# Altium PCB RK_NVR_DEMO1_RK3588_LP4XD200P232SD8_V21_20211228_final_lint.PcbDoc (part 13 of 29) (continued)
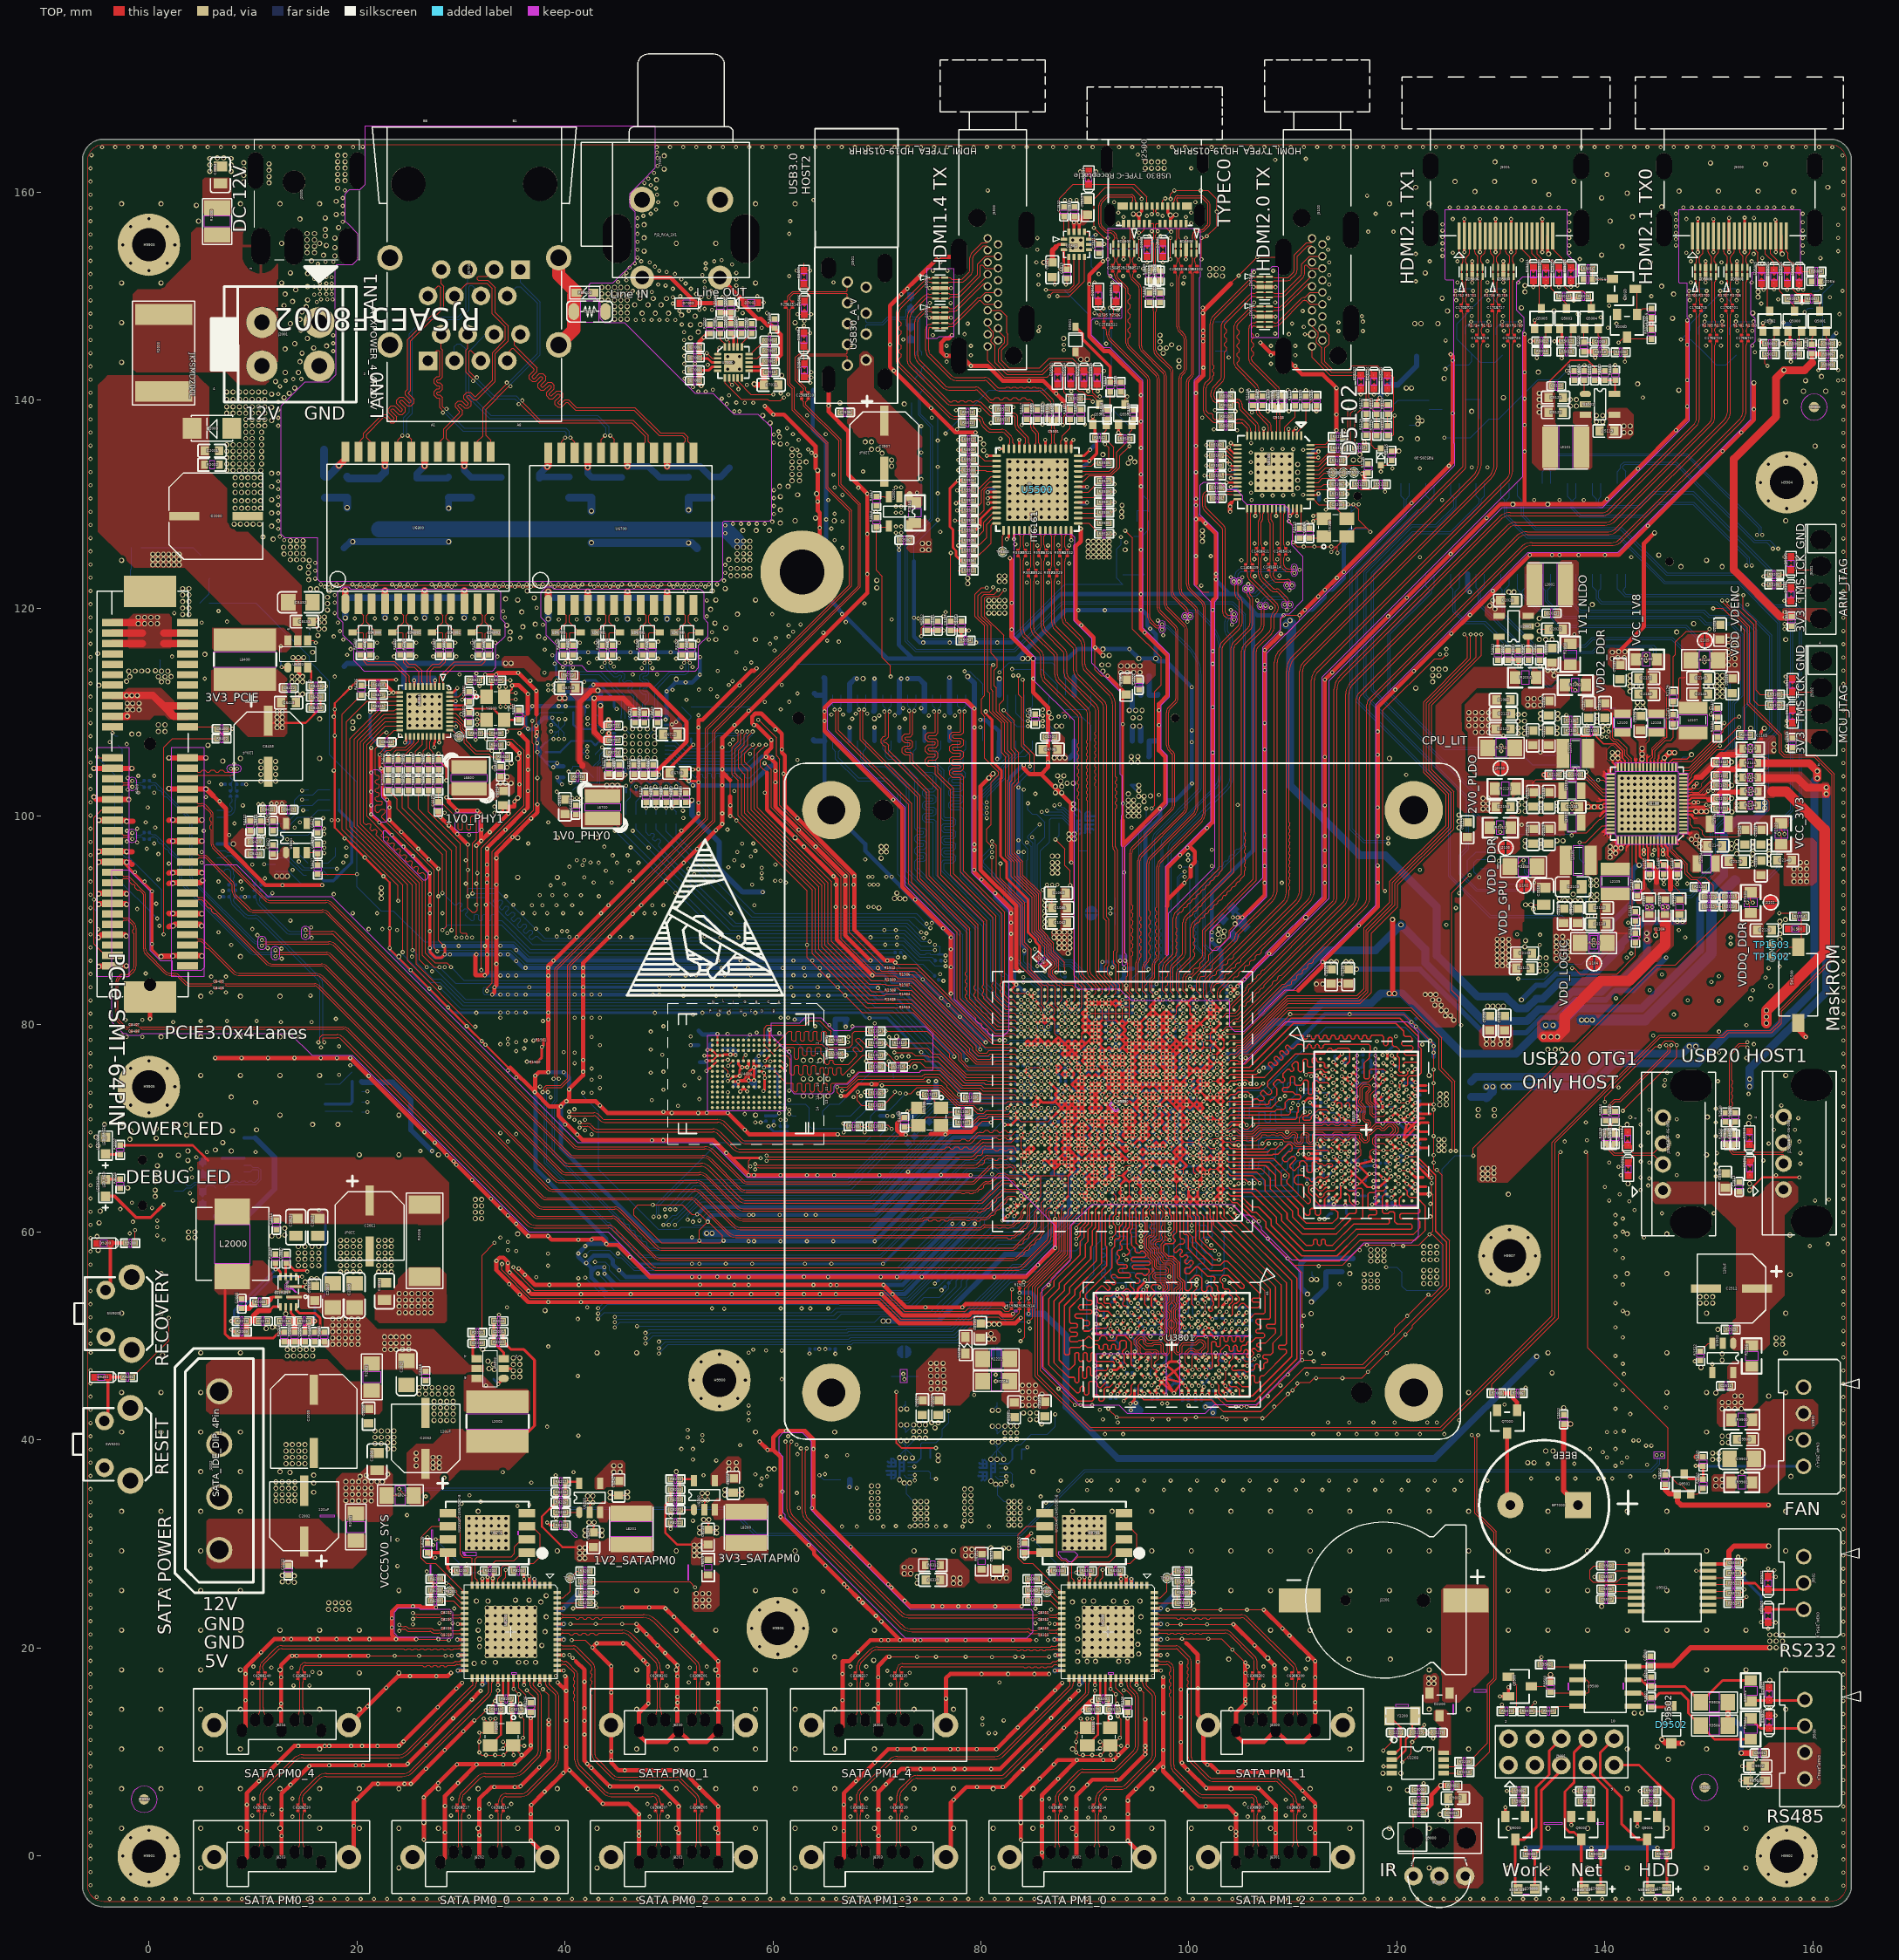
[diagram p0: TOP view]
## Nets (pads, with @x,y where several pads share a name; then routed paths per layer and width w, separated by ;. In a path a pad name is that pad's centre, name@x,y a point inside that pad or via, vN(x,y) a via of type N, cw(c..) or ccw(c..) an arc to the next point about the centre after c; other vN are vias at no path point) (continued)
  BOTTOM w0.127: v35(90.822,50.229) 90.187,50.864 90.187,55.309 90.822,55.944 90.822,58.484 91.457,59.119 91.457,61.322 v2(92.316,62.181) v11@92.316,62.831
  BOTTOM w0.152: U2201.C3@72.184,37.449 U2201.B3@72.584,37.449 ; U2200.C3@80.973,37.322 U2200.B3@81.373,37.322 ; 85.383,70.858 86.213,70.858 86.234,70.879
  BOTTOM w0.203: v1(37.329,107.023) 37.329,106.049 37.681,105.698 ; R6702.2@38.159,107.072 37.681,106.594 37.681,105.698 ; v1(38.803,109.462) 38.803,109.12 39.173,108.75 39.412,108.511 Y6700.4@39.551,108.372 ; v2(38.879,104.712) 38.625,104.712 38.117,105.22 ; v2(39.26,105.093) 39.26,105.118 39.158,105.22 38.117,105.22 ; v1(40.073,110.579) 40.139,110.513 41.888,110.513 41.929,110.554 v1(42.181,110.554) 41.929,110.302 R6721.2@41.929,109.961 ; R6724.2@45.88,102.312 v2(45.88,102.925) ; R6725.2@46.845,102.312 v2(46.845,102.841) ; R6726.2@47.811,102.312 v2(47.811,102.849) ; v2(48.683,102.845) 48.683,102.781 48.776,102.689 R6728.2@48.776,102.312 ; R6731.2@49.741,102.312 v2(49.741,102.841) ; R6722.2@50.706,102.312 v2(50.706,102.858) ; v9(72.178,36.183) 72.184,36.189 U2201.C1@72.184,36.649 U2201.C2@72.184,37.049 ; v9(72.178,38.316) 72.184,38.31 U2201.C4@72.184,37.849 ; v9(72.762,38.291) 72.584,38.113 U2201.B4@72.584,37.849 ; 75.881,86.698 76.501,86.698 v2(76.598,86.602) ; v5(80.967,36.056) 80.973,36.062 U2200.C1@80.973,36.522 U2200.C2@80.973,36.922 ; v5(80.967,38.152) 80.973,38.145 U2200.C4@80.973,37.722 ; v5(81.551,38.152) 81.385,37.986 81.373,37.986 U2200.B4@81.373,37.722 ; C1819.2@86.91,65.583 86.91,65.85 87.766,66.705 v2(87.766,66.731) ; v9(88.896,101.181) v9(88.896,100.678) 88.947,100.627 89.342,100.627 89.647,100.322 U2202.C1@89.647,99.978 U2202.C2@89.647,99.578 ; v9(88.975,98.284) 88.975,98.31 89.247,98.582 U2202.B4@89.247,98.778 ; 89.501,98.286 89.647,98.432 U2202.C4@89.647,98.778 ; v18(91.016,69.981) 91.016,69.872 91.557,69.331 v2(91.666,69.331) ; R9301.2@92.864,82.161 93.345,81.681 v2(93.616,81.681) ; 97.252,78.207 97.252,78.313 97.42,78.481 97.427,78.481 97.546,78.6 97.546,78.607 97.773,78.834 ; C1727.2@99.855,76.109 100.365,75.599 C1714.2@100.496,75.599 ; 100.445,75.574 100.496,75.574 ; 37.681,105.698 38.041,105.338 38.041,105.296 38.117,105.22 ; U2201.C2@72.184,37.049 U2201.B2@72.584,37.049 U2201.B3@72.584,37.449 U2201.B4@72.584,37.849 ; U2201.C2@72.184,37.049 U2201.C3@72.184,37.449 U2201.C4@72.184,37.849 ; U2201.C4@72.184,37.849 U2201.B4@72.584,37.849 ; U2200.C2@80.973,36.922 U2200.B2@81.373,36.922 U2200.B3@81.373,37.322 U2200.B4@81.373,37.722 ; U2200.C2@80.973,36.922 U2200.C3@80.973,37.322 U2200.C4@80.973,37.722 ; U2200.C4@80.973,37.722 U2200.B4@81.373,37.722 ; U2202.B4@89.247,98.778 U2202.C4@89.647,98.778 ; U2202.B4@89.247,98.778 U2202.B3@89.247,99.178 ; U2202.B3@89.247,99.178 U2202.C3@89.647,99.178 ; U2202.B3@89.247,99.178 U2202.B2@89.247,99.578 U2202.C2@89.647,99.578 ; U2202.C4@89.647,98.778 U2202.C3@89.647,99.178 ; U2202.C3@89.647,99.178 U2202.C2@89.647,99.578
  BOTTOM w0.254: v18(6.797,92.24) R8425.2@7.193,92.24 ; v18(6.943,103.061) R8407.2@7.339,103.061 ; R8426.2@8.836,92.24 v2(9.237,92.24) R8418.2@9.647,92.24 ; R8406.2@8.957,103.061 v18(9.353,103.061) ; R8419.2@11.291,92.24 11.523,92.24 v2(11.879,92.596) ; v2(23.156,87.313) 23.156,87.11 29.176,81.09 v2(31.473,81.09) v1(48.658,81.09) v2(53.23,81.09) v2(55.77,81.09) v2(58.31,81.09) 68.47,81.09 68.978,80.582 v2(69.283,80.582) 71.01,80.582 74.261,77.331 v2(74.261,77.305) 74.286,77.305 77.868,73.724 77.868,73.267 v2(77.893,73.241) ; v2(31.487,86.703) 31.398,86.614 31.398,85.1 31.804,84.694 v2(32.295,84.694) ; v2(33.215,83.551) v1(49.067,83.551) v1(54.147,83.551) v2(61.767,83.551) v2(64.307,83.551) 69.997,83.551 70.07,83.477 v2(70.095,83.477) 70.095,83.452 70.629,82.919 72.737,82.919 78.376,77.28 78.376,76.797 v2(78.63,76.543) ; v23(39.006,114.669) 39.006,114.542 39.133,114.415 39.133,113.602 39.819,112.916 v1(41.851,112.916) 42.003,113.068 42.919,113.068 44.746,111.241 44.746,110.528 v2(44.975,110.3) ; v1(46.245,57.595) 46.88,56.96 v1(52.214,56.96) v1(52.925,56.96) v1(55.465,56.96) v23(58.005,56.96) v1(63.085,56.96) v1(65.625,56.96) v2(70.576,56.96) 79.023,65.407 v2(79.023,65.481) ; v1(49.064,82.842) 49.14,82.766 v1(56.76,82.766) v2(64.38,82.766) v2(66.946,82.766) 69.664,82.766 70.07,82.36 72.025,82.36 76.214,78.171 76.878,77.507 77.43,76.955 v2(77.43,76.868) ; v2(69.556,84.694) 70.708,84.694 71.416,83.985 73.524,83.985 79.93,77.579 v2(79.93,77.559) ; v2(74.277,118.691) U5501.2@75.175,118.691 ; 77.106,83.249 77.08,83.223 77.08,82.512 81.141,78.451 v2(81.805,78.451) ; 82.618,67.196 82.884,66.929 C1801.2@83.1,66.929 ; C1808.2@84.192,67.708 84.192,67.703 v2(84.515,67.38) ; v2(85.816,66.73) 85.857,66.73 85.951,66.636 86.074,66.636 C1816.2@86.195,66.514 ; 86.234,70.879 86.234,71.047 v2(86.467,71.28) 86.751,71.564 C1110.2@86.759,71.564 ; v2(86.466,74.531) 86.466,74.524 C1901.2@86.809,74.18 ; C1819.2@86.91,65.583 87.477,65.583 C1813.2@87.667,65.393 ; C1602.2@87.512,75.14 87.651,75.002 C1506.2@87.651,74.511 ; C1300.2@87.674,72.071 87.674,72.489 v2(87.766,72.581) v2(88.415,72.581) 88.433,72.563 C1112.2@88.433,71.945 ; v2(87.766,62.831) 87.766,62.401 C1805.2@87.863,62.303 ; v2(87.766,66.731) 88.043,67.008 88.043,67.149 ; 88.041,70.631 88.041,70.862 88.416,71.236 v2(88.416,71.281) 88.955,71.821 C1031.2@89.732,71.821 89.716,71.805 v2(89.716,71.281) v2(90.366,70.631) ; C1804.2@88.169,64.455 88.144,64.455 88.042,64.557 87.989,64.557 v2(87.766,64.78) 87.667,64.879 C1813.2@87.667,65.393 ; v2(88.415,66.73) v2(88.416,66.081) 87.727,65.393 C1813.2@87.667,65.393 ; 88.783,69.126 88.783,69.048 v2(88.416,68.681) 88.416,68.282 C1803.2@88.142,68.009 88.043,67.91 88.043,67.149 ; C1069.2@88.832,76.899 88.832,77.546 v2(89.066,77.781) 89.313,77.534 C1072.2@89.454,77.534 ; v2(89.066,76.481) 89.283,76.264 C1073.2@89.454,76.264 89.454,76.218 v2(89.066,75.83) ; v2(89.07,72.585) 89.709,72.585 v2(89.714,72.581) ; 89.501,73.089 89.643,73.231 v2(89.716,73.231) ; v2(89.716,66.731) 89.505,66.731 89.342,66.568 89.342,66.648 88.891,67.099 88.697,67.099 v2(88.415,67.381) 88.275,67.381 88.043,67.149 ; v2(90.366,66.731) 90.451,66.816 C1030.2@90.451,67.373 ; v2(90.366,68.681) v2(91.016,68.031) 91.139,67.908 C1038.2@91.139,67.374 91.139,66.854 v2(91.016,66.731) ; v2(90.366,81.031) 90.366,80.459 C1064.2@89.888,79.98 90.615,79.98 v2(91.016,80.381) 91.217,80.582 C1503.2@91.588,80.582 ; v2(91.015,78.431) 91.236,78.651 C1606.2@91.422,78.651 ; v2(91.015,79.081) 91.221,79.286 C1608.2@91.422,79.286 ; v2(91.015,79.731) 91.206,79.921 C1610.2@91.422,79.921 ; v2(91.016,65.431) 90.775,65.672 C1814.2@90.618,65.672 90.618,65.683 v2(91.016,66.081) ; C1070.2@91.275,72.847 91.399,72.847 v2(91.666,72.581) ; C1054.2@91.275,73.469 91.427,73.469 v2(91.666,73.231) 92.194,73.759 C1106.2@92.194,73.926 92.316,74.048 v2(92.316,74.531) ; C1037.2@91.52,77.635 91.52,77.532 91.666,77.387 v2(91.666,77.131) ; C1607.2@91.588,85.281 91.588,85.843 91.685,85.941 v2(91.685,85.992) C1611.2@92.197,85.992 ; v2(91.666,76.481) v2(92.316,76.481) v2(92.316,75.831) ; v2(91.666,69.331) 91.942,69.054 91.942,68.904 92.093,68.904 v2(92.316,68.681) ; C1083.2@91.91,68.314 91.948,68.314 v2(92.316,68.681) ; v2(92.316,70.631) 92.484,70.631 C1010.2@92.713,70.402 92.713,70.234 v2(92.966,69.981) v2(92.966,69.331) v2(92.966,68.681) ; 92.688,71.031 92.565,71.031 v2(92.314,71.283) 92.961,71.931 v2(92.966,71.931) 93.613,72.578 v10@93.619,72.578 ; v2(92.966,73.231) v10@93.619,72.578 ; v2(92.966,77.781) v2(92.966,78.431) v2(92.966,79.081) ; R1405.2@93.366,78.778 R1401.2@93.366,79.413 ; C1015.2@93.528,68.559 93.405,68.681 v2(92.966,68.681) ; C1041.2@93.879,78.143 93.903,78.143 ; C1040.2@93.891,77.516 93.977,77.516 v2(94.254,77.793) 93.903,78.143 ; v2(94.266,68.681) 94.493,68.908 C1215.2@94.661,68.908 94.68,68.926 94.745,68.926 94.748,68.924 95.085,68.924 95.087,68.926 C1213.2@95.321,68.926 ; v2(94.265,74.531) v2(94.265,75.181) v10@94.265,75.83 ; v2(94.266,78.431) 93.978,78.143 93.903,78.143 ; C1016.2@94.806,72.704 94.136,72.704 94.009,72.83 93.875,72.83 v2(93.622,72.578) v10@93.619,72.578 ; v2(94.915,64.781) v2(95.565,64.781) v2(95.565,64.132) ; v2(94.915,64.781) v2(94.915,65.43) v2(95.565,65.43) 95.543,65.453 95.543,66.058 v2(96.215,66.731) 96.486,66.46 97.244,66.46 ; v2(94.916,67.381) 95.261,67.726 C1224.2@95.321,67.726 95.394,67.798 95.394,68.229 95.296,68.326 ; v35(95.038,51.55) 95.038,51.474 v28(95.788,50.723) 95.644,50.579 C3852.2@95.644,50.305 95.644,49.775 95.8,49.619 ; C1014.2@95.173,70.409 95.343,70.409 v2(95.565,70.631) 95.173,71.023 C1022.2@95.173,71.031 95.235,71.093 95.235,71.409 ; v9(95.191,102.451) 94.963,102.451 C4703.2@94.419,102.996 95.154,102.996 v9(95.191,102.959) ; C3853.2@95.267,54.754 95.314,54.754 v28(95.622,54.445) ; C1231.2@95.321,68.326 C1213.2@95.321,68.926 ; 95.797,71.014 96.18,70.631 v18(96.216,70.631) 95.953,70.368 95.953,70.215 95.799,70.215 v2(95.565,69.981) 95.941,69.605 ; 95.953,69.605 95.941,69.605 ; v2(96.215,62.831) v2(96.216,63.48) ; v2(96.215,78.431) v2(96.215,77.781) 96.473,78.038 C1002.2@96.664,78.038 96.664,78.229 v2(96.865,78.431) ; R1400.2@96.41,83.626 96.645,83.626 v2(96.872,83.852) ; C1223.2@96.642,71.539 96.642,71.706 v2(96.866,71.93) v2(97.516,71.93) 98.196,72.61 C1047.2@98.262,72.61 ; C1049.2@96.762,74.132 96.762,74.427 v2(96.865,74.531) ; v2(96.865,62.831) v2(97.515,62.831) v2(97.515,63.48) v2(97.515,64.131) ; C1219.2@97.121,65.846 97.146,65.846 97.281,65.846 v2(97.516,66.081) ; v2(97.172,50.762) 97.295,50.639 C3864.2@97.295,50.229 97.295,49.826 v2(97.299,49.822) 97.32,49.843 97.32,49.522 97.324,49.518 ; C1004.2@97.661,75.98 97.515,76.126 v2(97.515,76.481) v2(97.515,77.131) 97.802,77.418 97.802,77.559 ; C1227.2@97.706,68.678 98.163,68.678 v2(98.166,68.682) ; 97.799,80.723 98.292,81.217 98.442,81.217 98.499,81.274 C1421.2@98.628,81.274 ; v18(98.166,69.33) v2(98.166,68.682) ; v18(98.166,69.33) 98.166,69.378 97.816,69.727 97.816,70.031 97.524,70.324 C1220.2@97.524,70.452 97.986,70.452 v18(98.165,70.631) 98.276,70.742 C1229.2@98.276,71.033 ; C1206.2@98.594,68.234 98.594,68.253 v2(98.166,68.682) ; C3863.2@99.077,52.511 99.077,52.642 v28(99.606,53.172) ; C1226.2@99.178,72.746 99.286,72.746 v2(99.784,72.247) ; 99.205,65.827 99.205,65.691 v2(99.466,65.43) 99.807,65.772 C1211.2@99.807,65.834 ; C1209.2@99.205,65.852 99.045,65.852 v2(98.816,66.081) 98.489,66.408 98.489,66.46 98.461,66.488 97.882,66.488 97.854,66.46 ; C1208.2@99.707,70.382 99.707,70.29 99.237,69.82 C1216.2@99.237,69.721 99.237,69.56 v2(99.466,69.331) 100.207,68.589 ; C1210.2@99.707,70.984 99.763,70.984 v2(100.115,70.631) 99.866,70.382 99.732,70.382 99.732,70.315 ; C1727.2@99.855,76.109 99.855,76.221 v2(100.115,76.481) ; 100.068,77.632 100.068,77.178 v2(100.115,77.131) v2(100.115,76.481) ; v10@100.115,76.394 v2(100.115,76.481) ; C1207.2@100.222,68.589 100.207,68.589 ; 100.496,75.574 100.765,75.305 v2(100.765,75.181) ; 101.24,45.631 101.439,45.432 v2(101.439,45.123) ; C1730.2@101.295,78.033 101.295,78.31 v2(101.416,78.431) ; 101.303,50.55 101.337,50.55 101.591,50.804 v2(101.591,50.813) ; v18(101.744,55.207) 101.769,55.182 C3847.2@101.769,54.797 ; 101.998,80.912 102.066,80.98 v2(102.066,81.681) v2(102.066,82.331) ; v2(102.066,77.131) 102.331,76.865 102.331,76.689 ; v28(102.571,48.396) 102.75,48.218 103.014,48.218 ; v2(102.716,78.431) v2(103.366,79.08) ; 103.187,51.753 103.274,51.753 v28(103.546,51.481) ; v2(104.233,90.259) 104.245,90.272 C1000.2@104.245,91.11 105.096,90.259 v2(105.147,90.259) ; v2(110.761,73.724) 111.248,73.724 ; v2(112.356,68.491) 112.479,68.368 C3814.2@112.479,68.072 ; 112.899,65.469 112.899,65.864 v2(112.965,65.931) ; C3822.2@113.043,70.701 113.043,71.059 v28(113.116,71.131) ; v2(113.047,61.252) 113.58,61.786 C3810.2@113.744,61.786 ; C3837.2@113.428,62.806 113.805,62.806 v28(113.922,62.688) ; C3817.2@114.44,70.701 114.44,70.881 v28(114.69,71.131) ; C3828.2@114.549,64.025 114.549,64.439 114.69,64.581 v28(114.69,64.606) ; v2(116.242,66.505) 116.268,66.531 116.268,66.917 ; C3826.2@116.984,64.899 116.984,65.215 v2(117.365,65.596) ; v2(117.619,62.675) 117.823,62.879 118.402,62.879 ; v2(117.746,64.326) 117.822,64.402 118.257,64.402 ; v2(118.69,65.186) 118.889,64.987 118.889,64.525 ; 119.545,62.802 119.545,62.717 v2(119.841,62.421) ; v2(120.128,67.194) 120.304,67.37 C3834.2@120.517,67.37 ; v28(121.781,68.546) 121.789,68.538 122.191,68.538 ; C3815.2@122.191,72.077 122.061,72.077 v28(121.766,71.781) 122.088,71.459 122.191,71.459 C3818.2@122.216,71.434 ; v2(92.316,68.681) 92.687,68.31 C1039.2@92.727,68.31 92.966,68.549 v2(92.966,68.681) ; C1213.2@95.321,68.926 95.321,69.087 v18(95.565,69.331) 95.84,69.605 95.941,69.605 ; 97.244,66.46 97.854,66.46 ; 97.244,66.46 97.244,66.352 v2(97.516,66.081) ; v2(97.516,66.081) 97.854,66.419 97.854,66.46 ; C1205.2@99.707,67.649 99.694,67.637 C1212.2@99.694,67.047 99.782,67.047 v2(100.115,67.381) 99.847,67.649 C1205.2@99.707,67.649 ; C1205.2@99.707,67.649 99.707,68.258 100.038,68.589 100.207,68.589
  BOTTOM w0.305: v2(117.822,74.13) 118.122,74.13 118.228,74.024
  BOTTOM w0.406: v2(32.295,84.694) v1(50.075,84.694) v1(52.615,84.694) v1(55.363,84.694) v1(57.903,84.694) v2(61.967,84.694) v2(64.486,84.694) v2(69.556,84.694) ; v2(33.011,82.842) v2(33.792,82.842) v2(34.511,82.842) v2(35.323,82.842) v2(36.212,82.842) v2(38.396,82.842) v2(40.936,82.842) v2(41.749,82.842) v2(42.562,82.842) v2(43.375,82.842) v1(48.454,82.842) v1(49.064,82.842) ; v1(37.253,107.684) 37.355,107.582 v1(37.355,106.16) ; v1(37.329,107.023) v1(37.329,108.078) ; v1(38.803,109.462) 38.015,109.462 v1(37.253,108.7) 36.892,108.338 36.497,108.338 v1(36.44,108.395) 36.161,108.674 36.161,109.868 v1(36.872,110.579) v1(39.412,110.579) v1(40.073,110.579) ; v2(38.879,104.712) 38.955,104.788 39.859,104.788 R6715.2@39.867,104.797 ; v23(39.006,114.669) 39.133,114.669 39.133,115.38 39.514,115.761 v23(42.232,115.761) v23(46.296,115.761) v23(50.156,115.761) 52.468,115.761 52.976,115.253 v2(52.976,113.602) 52.214,112.84 v6@51.63,112.84 ; v2(39.717,103.061) 39.361,103.416 39.361,103.618 v2(39.26,103.719) R6718.2@39.867,103.719 ; v2(41.241,104.267) 41.789,103.719 C6706.2@41.85,103.719 ; v1(46.245,57.595) 44.975,58.865 v1(43.984,58.865) ; v2(49.674,109.284) 49.775,109.385 v2(49.775,112.002) 50.614,112.84 v6@51.63,112.84 ; v2(51.604,112.865) v6@51.63,112.84 ; v2(51.909,103.366) 51.909,103.363 v2(52.315,102.957) 57.825,102.957 59.661,104.793 59.838,104.793 60.037,104.991 60.037,105.525 v2(59.927,105.634) 59.859,105.702 v2(59.326,105.702) 58.919,105.702 57.726,104.509 v2(55.135,104.509) v2(52.823,104.509) ; v1(52.722,61.71) 53.433,62.421 69.613,62.421 v2(72.993,65.801) v18(76.585,69.393) 77.131,69.939 79.163,69.939 79.595,70.371 80.738,70.371 80.916,70.549 v2(80.967,70.549) ; C4004.2@52.849,79.377 53.226,79 C4000.2@53.992,79 54.05,79.058 v2(54.668,79.058) ; v1(53.738,60.998) 53.738,61.252 54.144,61.659 v1(57.7,61.659) v23(58.107,61.659) v1(60.647,61.659) v1(63.187,61.659) v1(64.101,61.659) 69.867,61.659 77.334,69.126 81.271,69.126 ; 63.829,140.992 63.829,137.165 65.117,135.878 v2(65.117,128.525) 65.117,125.792 SMTSO9900.1@62.803,123.477 66.336,119.944 66.336,119.825 71.01,115.151 73.448,115.151 ; v2(64.97,109.157) U4700.2@64.97,107.236 64.97,101.227 J9901.1@65.616,100.581 68.876,97.32 68.876,96.66 75.545,89.991 75.582,89.991 v2(76.362,89.211) 77.106,88.467 v2(77.106,87.207) 77.106,83.249 ; U4700.8@67.369,107.236 v2(67.369,108.522) ; U4700.14@69.769,107.236 v2(69.769,108.522) ; R1110.2@70.317,71.184 v23(71.01,71.184) ; v2(71.772,85.916) 71.572,86.116 v2(71.01,86.116) v2(69.384,86.116) v2(63.796,86.116) v2(61.967,86.116) v1(56.887,86.116) v1(54.754,86.116) 36.394,86.116 34.994,87.516 v2(32.314,87.516) v2(29.774,87.516) v2(28.338,87.516) 27.322,87.516 27.119,87.313 v2(27.017,87.313) 27.017,86.906 27.525,86.398 28.135,86.398 v2(28.439,86.703) v2(28.947,86.703) v2(31.487,86.703) v2(32.516,86.703) v2(33.792,86.703) v2(34.511,86.703) 34.689,86.703 35.987,85.405 v1(53.767,85.405) v1(55.059,85.405) v1(57.599,85.405) v2(60.951,85.405) v2(62.983,85.405) v2(64.507,85.405) v2(70.095,85.405) 71.14,85.405 71.899,84.646 74.048,84.646 v2(74.396,84.298) v2(76.192,82.502) v2(76.866,81.828) v2(77.988,80.706) v2(80.459,78.236) ; v2(72.111,125.997) 72.111,116.489 73.448,115.151 ; U4700.20@72.17,107.236 v2(72.17,108.522) ; 73.566,124.515 v2(73.566,119.071) 73.566,117.268 74.143,116.692 v2(74.454,116.692) v2(76.994,116.692) v2(79.534,116.692) v2(81.576,116.692) 82.959,116.692 87.617,121.349 v2(95.394,121.349) 103.928,121.349 ; U4700.26@74.57,107.236 v2(74.57,108.522) ; U4700.32@76.97,107.236 v2(76.97,108.522) ; v2(77.258,60.795) 72.153,55.69 v2(71.924,55.69) v2(70.375,55.69) v1(65.295,55.69) v1(57.675,55.69) v1(55.77,55.69) v1(52.925,55.69) v1(52.214,55.69) 45.838,55.69 v1(45.203,56.325) 44.594,56.934 44.594,57.341 44.187,57.747 42.765,57.747 v1(42.054,57.036) ; 77.741,67.069 v2(76.166,65.494) v1(69.791,59.119) v1(65.803,59.119) v1(63.263,59.119) v1(60.723,59.119) v23(58.183,59.119) v1(57.675,59.119) 57.624,59.119 57.573,59.17 v1(55.254,59.17) v1(52.925,59.17) 48.556,59.17 39.615,68.11 v1(39.615,72.073) 40.403,72.86 v1(40.403,73.724) 40.403,74.867 v1(39.895,75.375) v1(38.396,75.375) 37.482,75.375 v2(37.142,75.035) 37.142,73.511 v2(37.101,73.47) 37.177,73.394 37.177,66.155 38.345,64.986 38.371,64.986 38.371,64.961 v2(38.392,64.939) 43.984,59.347 v1(43.984,58.865) ; v2(78.325,60.795) 78.325,60.77 72.483,54.928 v2(70.626,54.928) v1(65.546,54.928) v1(63.898,54.928) v1(57.675,54.928) v1(56.278,54.928) 44.873,54.928 v1(43.811,55.99) 43.781,56.02 v1(43.781,56.63) 42.968,56.63 42.562,56.223 ; v2(79.37,108.522) U4700.38@79.37,107.236 v2(79.37,101.816) v2(79.37,97.279) v2(79.37,96.736) 79.37,94.599 v2(80.052,93.917) ; v2(79.417,60.795) v2(74.312,55.69) 72.661,54.039 v2(70.437,54.039) v1(66.057,54.039) v1(64.507,54.039) v1(62.983,54.039) v23(60.443,54.039) v23(57.903,54.039) v1(56.024,54.039) v1(53.941,54.039) v1(52.722,54.039) v1(46.321,54.039) 44.137,54.039 42.562,55.614 42.562,56.223 ; v2(79.951,109.258) 80.459,109.258 81.17,108.547 81.363,108.547 81.769,108.141 U4700.44@81.769,107.236 ; v2(81.373,92.596) 81.373,92.193 v2(82.897,90.669) 82.897,85.281 83.205,84.973 83.205,84.008 v2(83.399,83.814) 83.964,83.249 84.247,83.249 v2(84.516,82.981) ; 83.608,103.162 v2(83.608,102.756) v2(83.608,97.676) v2(83.608,96.558) 83.608,92.596 84.319,91.885 ; v2(84.116,104.89) 84.015,104.89 82.795,103.67 82.795,92.342 83.913,91.224 83.913,87.643 84.167,87.389 v2(84.167,87.059) 84.167,86.797 ; v2(96.118,85.268) 95.8,85.586 95.8,98.387 97.223,99.81 v2(97.223,100.724) 98.01,101.511 98.67,101.511 v2(100.296,103.137) 100.271,103.162 v2(100.271,107.125) v2(100.271,108.242) v2(100.271,112.408) 97.781,114.898 97.173,114.898 ; v18(100.677,129.883) 100.677,129.07 v18(101.593,128.155) 102.607,127.14 v18(102.607,123.286) v18(102.607,122.771) 102.607,122.67 103.928,121.349 ; v2(104.016,83.631) 103.522,83.631 103.115,84.037 103.115,87.008 102.201,87.922 v2(102.201,88.137) v2(102.201,88.837) 102.201,92.698 106.163,96.66 106.163,119.723 ; v2(104.666,83.631) v2(105.357,84.322) ; v2(107.179,75.807) 107.924,75.807 113.081,80.964 v2(115.46,80.964) 120.64,80.964 v2(121.403,80.201) v2(121.828,79.777) 123.533,78.071 v2(123.533,77.895) v2(123.533,77.254) 123.533,76.859 ; v2(109.11,119.317) 106.57,119.317 106.163,119.723 ; v2(110.634,119.317) v2(111.142,119.825) 111.853,119.825 113.072,121.044 v2(113.072,121.755) 113.783,121.755 114.901,122.873 v2(114.901,123.471) 114.901,126.916 J9800.61@115.608,127.623 ; v1(42.054,57.036) 41.901,57.036 41.292,57.646 v1(41.292,57.95) 42.206,58.865 v1(43.984,58.865) ; v1(42.054,57.036) 42.562,56.528 42.562,56.223 ; 73.448,115.151 83.478,115.151 ; 83.478,115.151 v9(84.015,115.151) v9(84.523,115.151) v9(85.031,115.151) 88.383,115.151 89.298,116.066 v9(91.736,116.066) v2(94.276,116.066) v9(95.191,115.151) v9(96.816,115.151) ; 83.478,115.151 88.135,119.808 v2(89.376,119.808) v2(91.916,119.808) 95.512,119.808 96.003,119.317 96.003,118.301 v2(96.272,118.032) 96.816,117.488 v9(96.816,115.151) ; v9(96.816,115.151) 96.919,115.151 97.173,114.898 ; v9(96.816,115.151) 97.069,114.898 97.173,114.898 ; 103.928,121.349 104.639,121.349 106.163,119.825 106.163,119.723
  BOTTOM w0.508: 63.898,107.328 63.989,107.236 U4700.2@64.97,107.236 ; 63.999,111.798 64.162,111.636 U4700.1@64.97,111.636 ; 64.914,113.322 64.97,113.266 U4700.1@64.97,111.636 ; v2(64.97,110.071) U4700.1@64.97,111.636 ; 67.352,110.173 67.369,110.19 U4700.7@67.369,111.636 67.369,112.713 67.877,113.221 v2(68.063,113.221) ; 69.689,110.071 69.769,110.152 U4700.13@69.769,111.636 v2(69.769,113.221) ; 72.127,109.97 72.17,110.012 U4700.19@72.17,111.636 72.17,113.06 v2(72.331,113.221) ; v2(72.94,113.221) 74.061,113.221 74.57,112.712 U4700.25@74.57,111.636 74.57,110.075 74.566,110.071 ; v2(76.97,113.322) U4700.31@76.97,111.636 76.97,110.004 77.004,109.97 ; v9(78.731,113.424) 79.341,112.814 79.37,112.814 U4700.37@79.37,111.636 v2(79.37,110.351) ; v2(81.576,105.499) 81.769,105.692 U4700.44@81.769,107.236 ; U4700.43@81.769,111.636 v9(81.769,113.211) ; v9(94.276,110.173) 94.57,110.466 U4700.75@94.57,111.636 ; U4700.76@94.57,107.236 94.57,108.587 v9(94.632,108.649) ; v9(95.267,108.649) 95.37,108.546 U4700.78@95.37,107.236 ; v2(104.69,90.259) 104.69,90.208 104.843,90.056 104.843,89.928 C1085.2@105.338,89.433 105.338,90.069 v2(105.147,90.259) ; J9800.42@126.808,123.273 126.808,121.736 v2(126.991,121.552)
  BOTTOM w0.635: v5(18.888,119.063) C6802.2@18.888,120.111 ; v5(22.698,119.063) C6803.2@22.698,120.111 ; v5(26.508,119.063) C6804.2@26.508,120.111 ; v5(30.318,119.063) C6805.2@30.318,120.111 ; v5(38.395,118.961) C6702.2@38.395,120.111 ; v5(42.205,118.961) C6703.2@42.205,120.111 ; v5(46.015,118.961) C6705.2@46.015,120.111 ; v5(49.825,118.961) C6704.2@49.825,120.111
  BOTTOM w1.524: D6801.2@22.115,127.585 D6802.2@25.772,127.585 D6803.2@33.9,127.585 D6702.2@37.558,127.585 45.432,127.585 D6700.2@45.457,127.56 D6703.2@49.115,127.56 55.451,127.56 v5(56.557,126.454)